# Altium PCB X2023.PcbDoc
Units mil, origin at the board's own origin, x right, y up, seen from the top; angles counter-clockwise.
Board outline 2780.17 x 1390.33 mil, 4 copper layers (Top Layer, GND, PWR, Bottom Layer), stack 22.378 mil thick; 63 components, 41 nets, 239 pads, 151 vias.
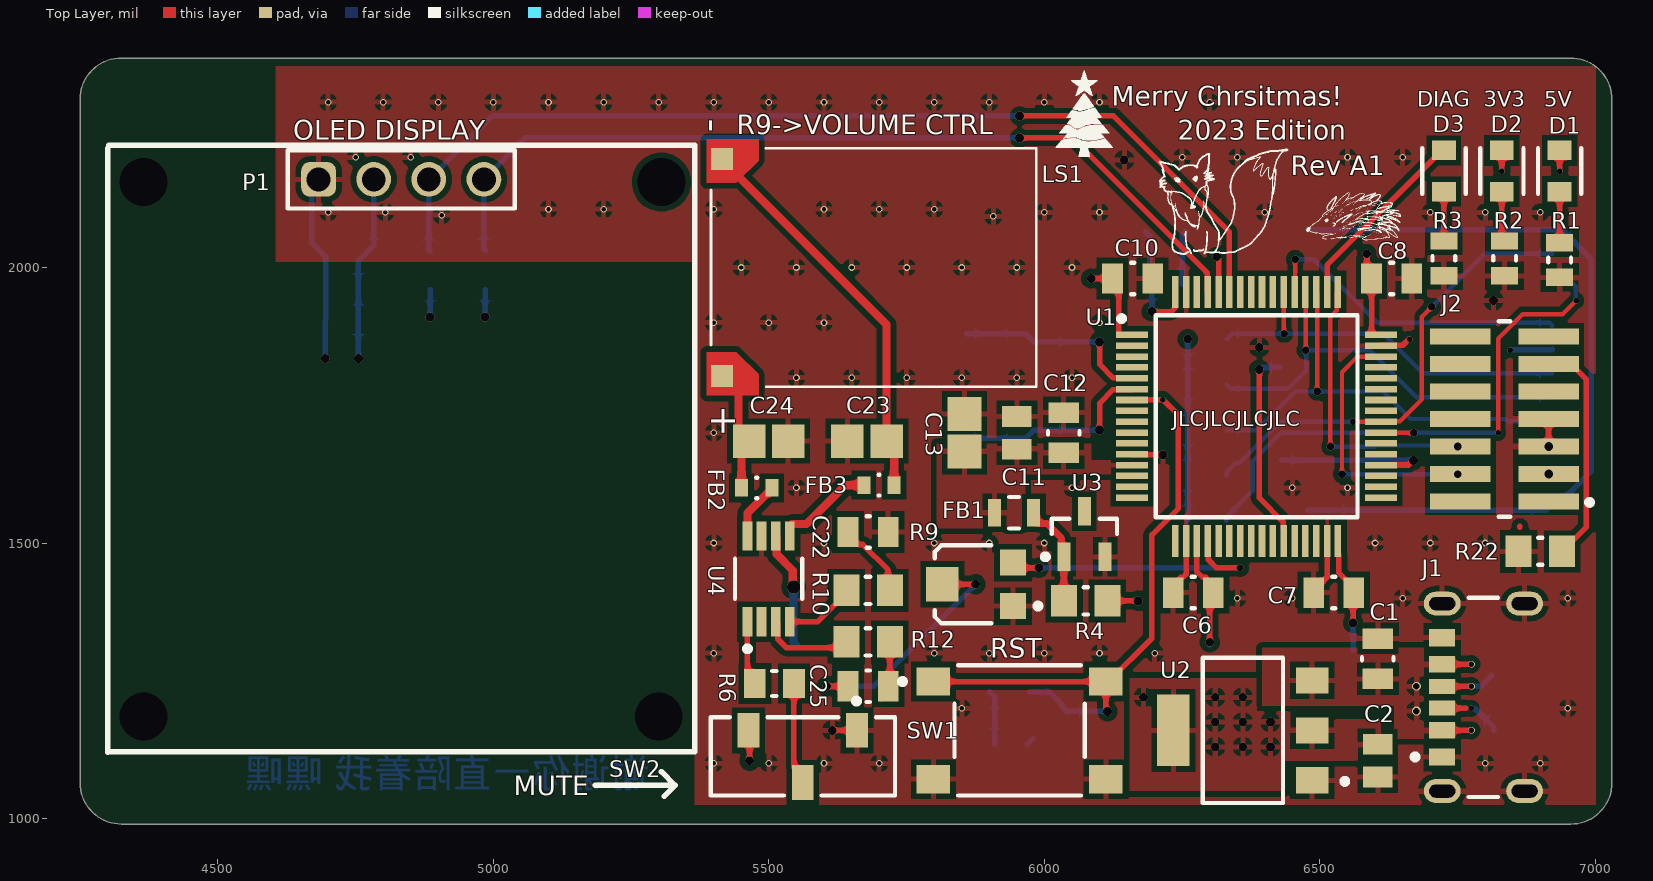
[diagram p0: Top Layer view]
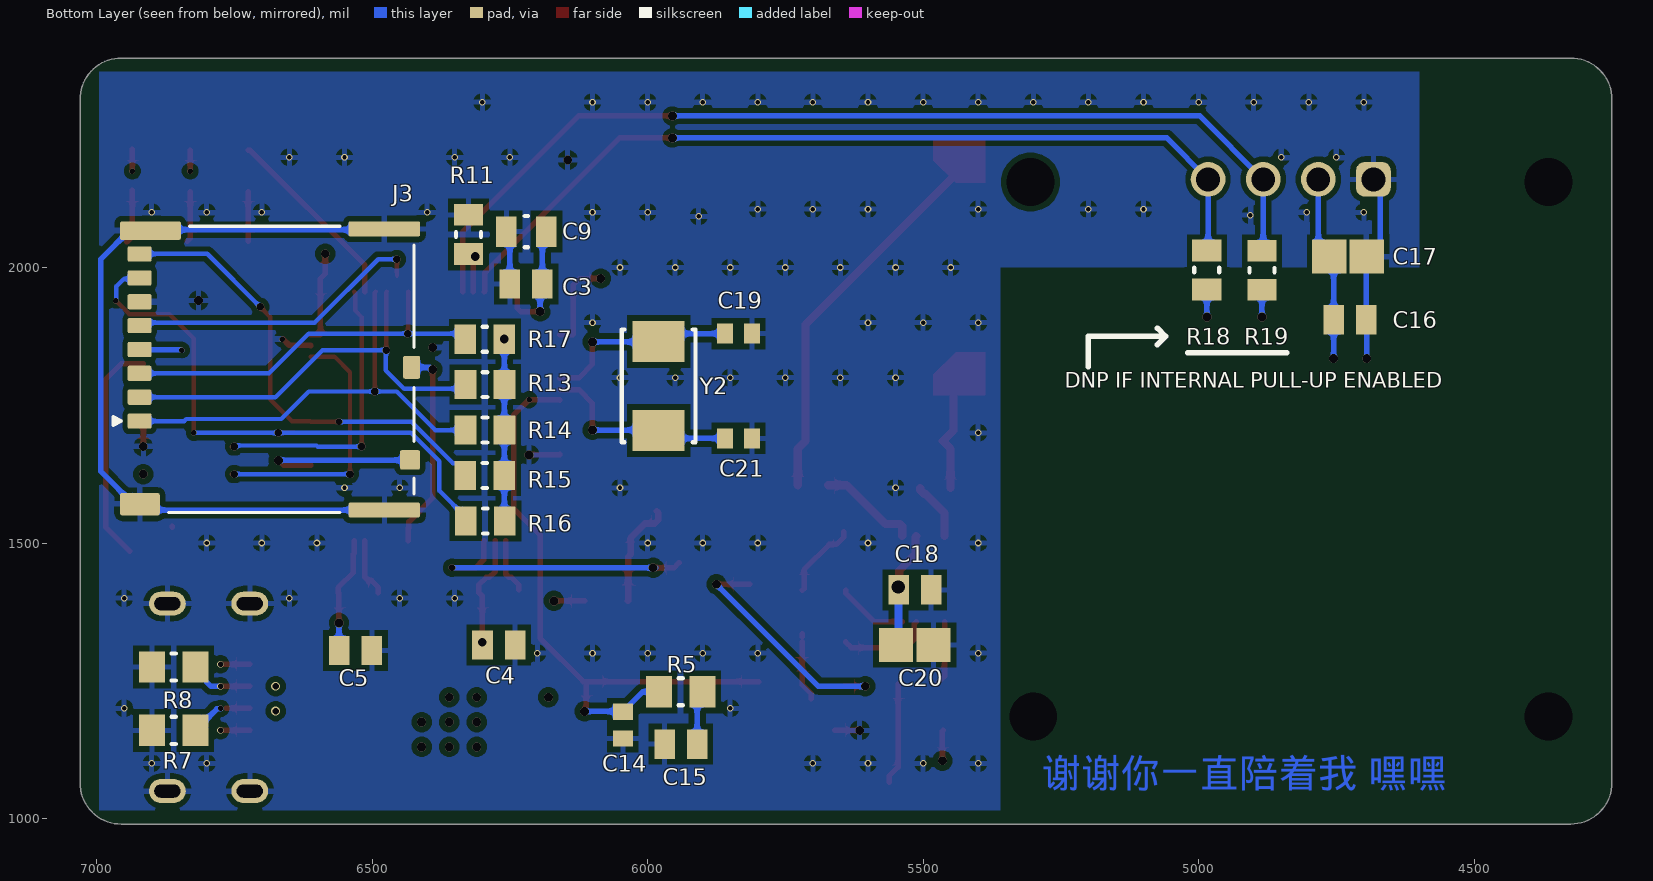
[diagram p1: Bottom Layer view, seen from below]
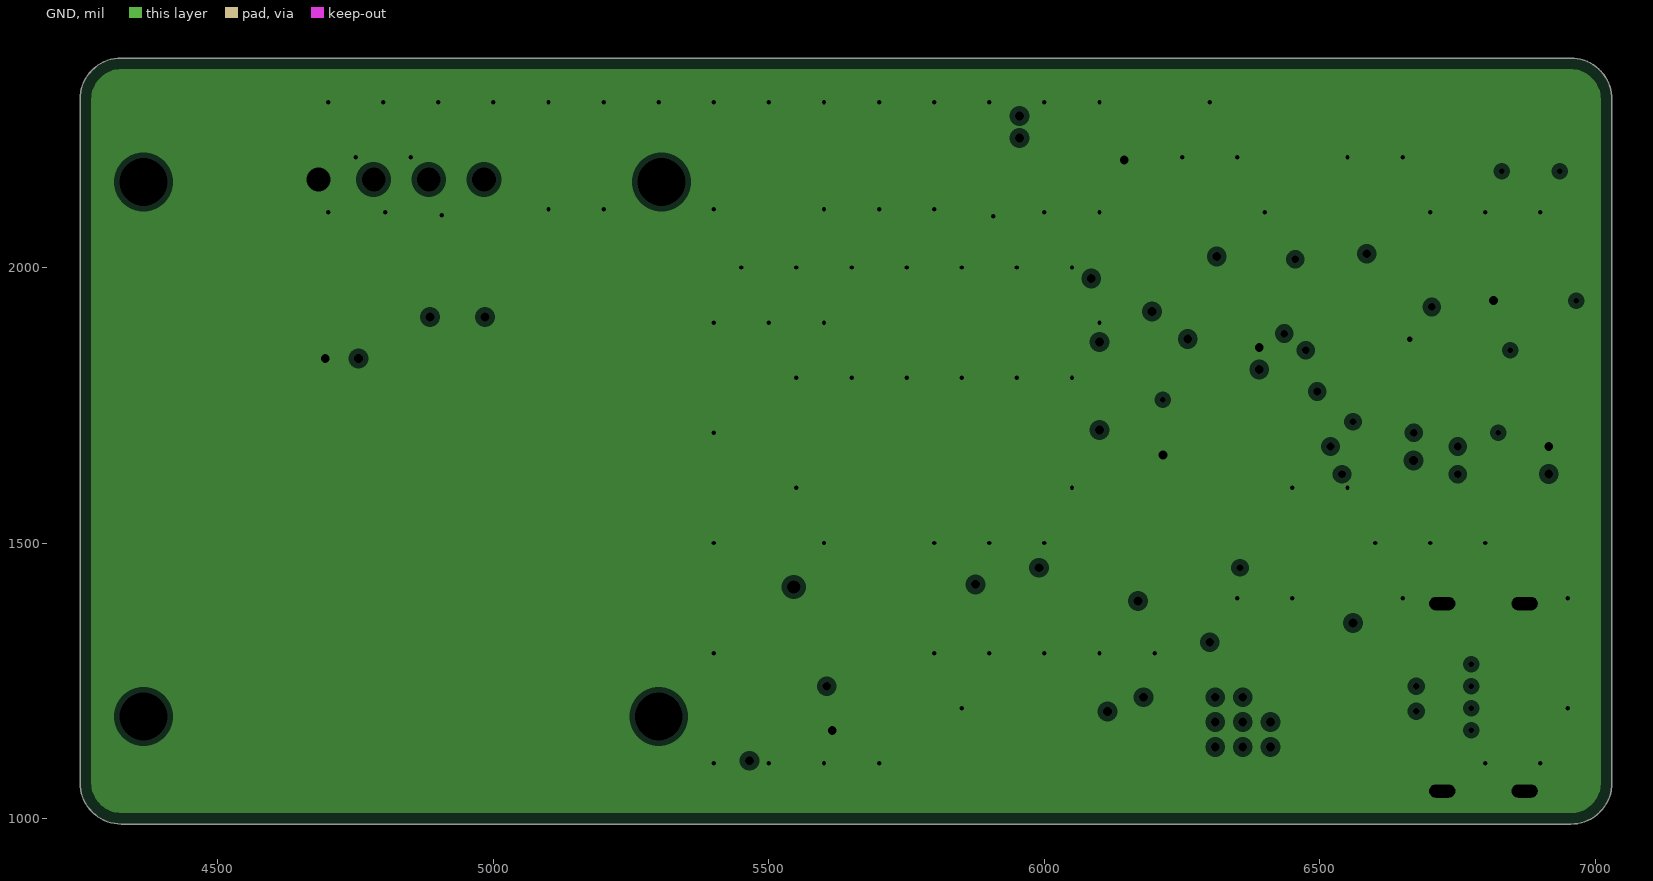
[diagram p2: GND, clearances drawn from the general rule]
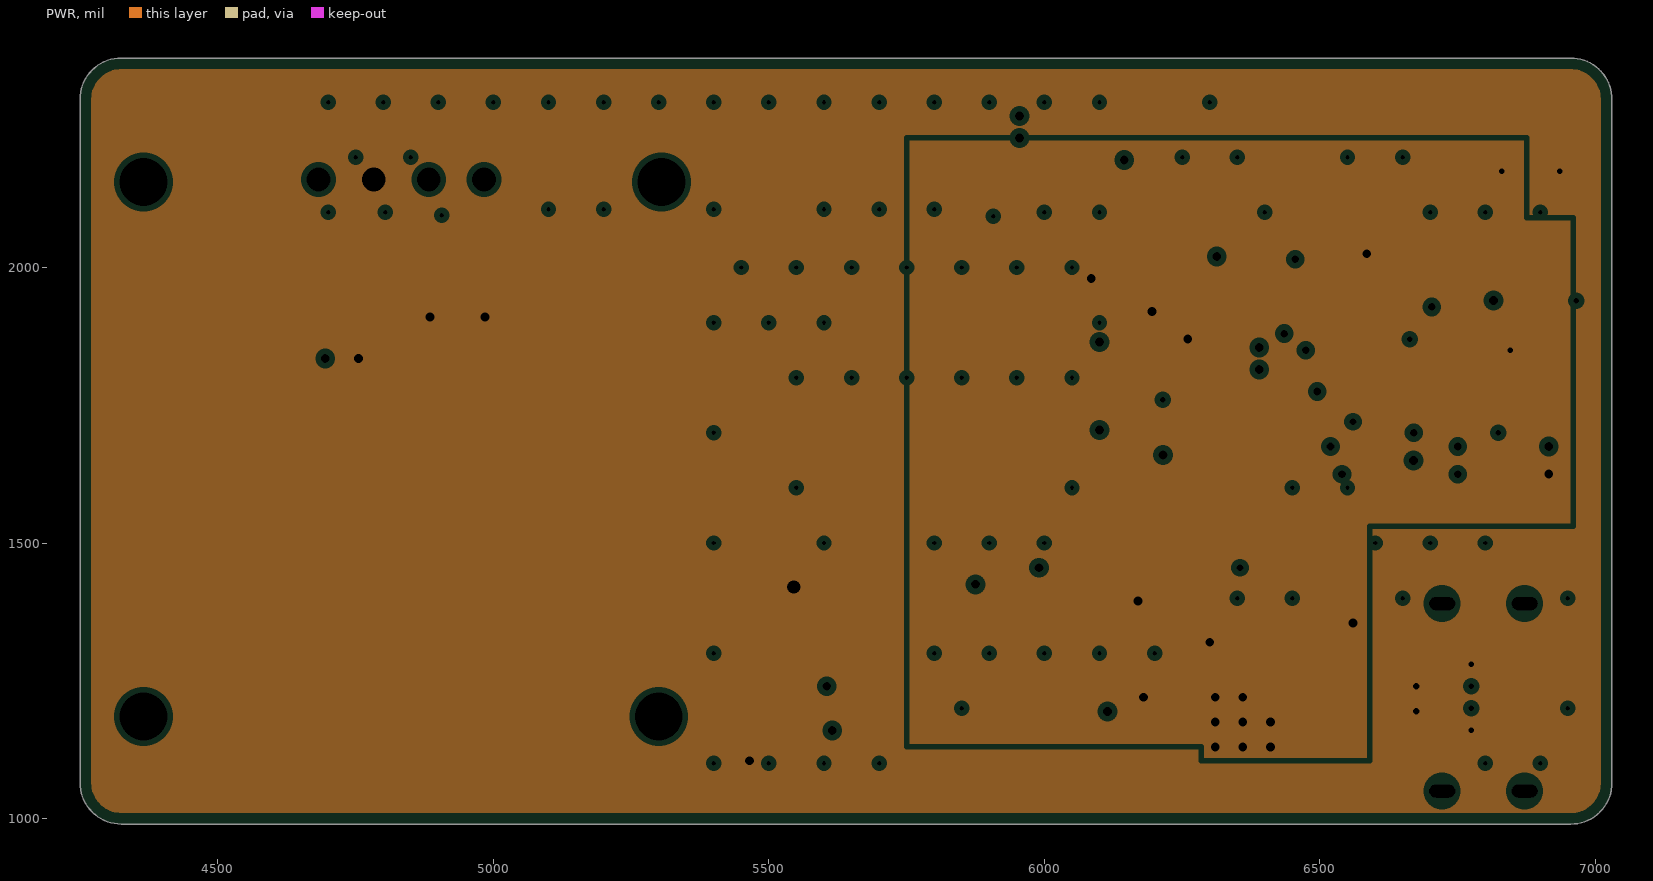
[diagram p3: PWR, clearances drawn from the general rule]
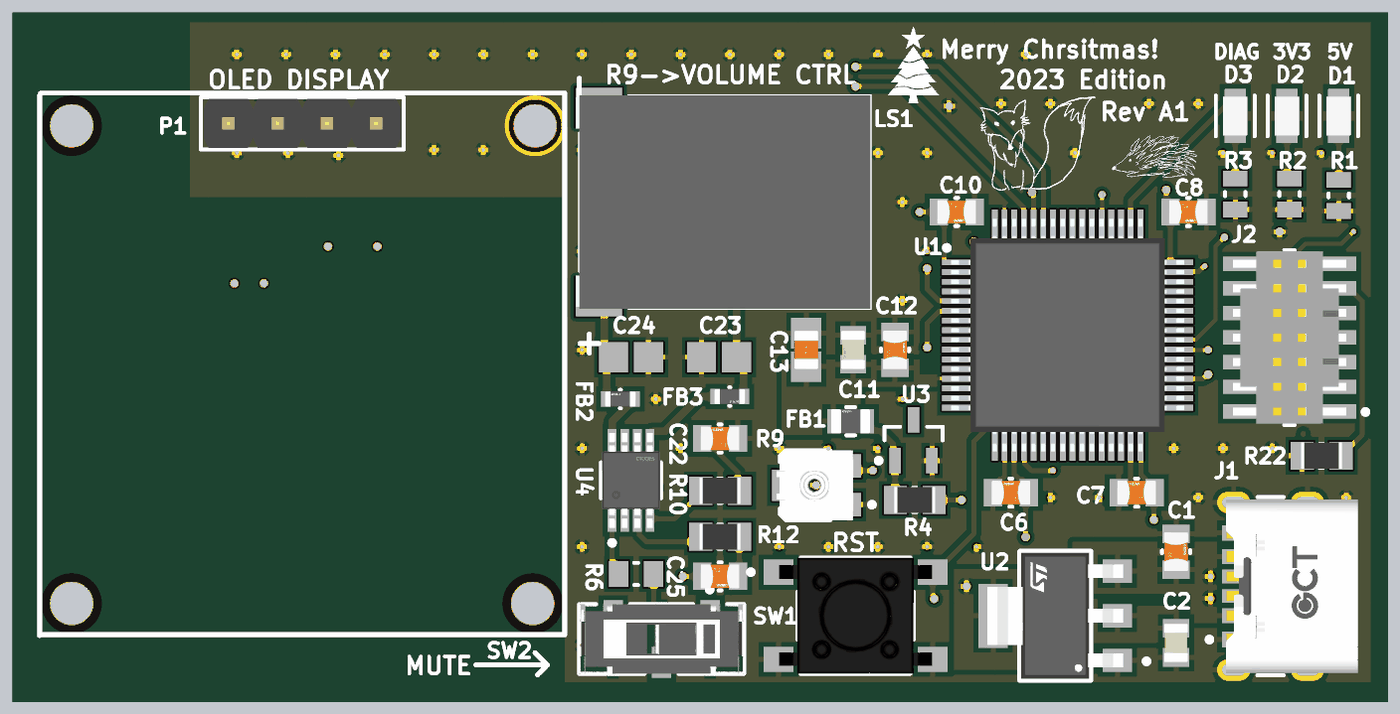
[diagram p4: 3D render of the assembled board from above, using the file's embedded part models]

## Layer stack, top to bottom
Top Solder: solder mask 0.4, Solder Resist, Dk 3.5
Top Layer: signal copper 1.4
Dielectric 2: prepreg 2.8, PP-006, Dk 4.1
GND: plane copper 0.689, net GND
Dielectric 1: dielectric 12.6, FR-4, Dk 4.8
PWR: plane copper 0.689, net (Multiple Nets)
Dielectric 3: prepreg 2.8, PP-006, Dk 4.1
Bottom Layer: signal copper 1.4
Bottom Solder: solder mask 0.4, Solder Resist, Dk 3.5

## Board outline
4249.83,1065.17 ccw(c4325,1065.17) 4325,990 6955,990 6954.83,989.83 ccw(c6954.83,1065) 7030,1065 7030,2305 ccw(c6954.83,2305) 6954.83,2380.17 6955,2380 4325,2380 4325,2380.17 ccw(c4325,2305) 4249.83,2305 4250,2310

## Design rules (kind name [scope] priority, off if disabled: settings)
Clearance [All] p1: gap=10 ignorepadtopadclearanceinfootprint=FALSE except(0: Arc-Hole Track-Hole SMDPad-Hole THPad-Hole Via-Hole Fill-Hole Poly-Hole Region-Hole Text-Hole; 5: Arc-Arc Arc-Track Track-Track SMDPad-SMDPad; 7.88: Arc-SMDPad Track-SMDPad)
MinimumSolderMaskSliver [All] p1: minsoldermaskwidth=5.12
PlaneClearance [All] p1: clearance=10
PlaneConnect [All] p1: pad.planeconnectstyle=Relief pad.reliefexpansion=20 pad.reliefentries=4 pad.reliefconductorwidth=10 pad.reliefairgap=10 via.planeconnectstyle=Direct via.reliefexpansion=20 via.reliefentries=4 via.reliefconductorwidth=10 via.reliefairgap=10
PolygonConnect [All] p1: connectstyle=Relief reliefconductorwidth=10 reliefentries=4 polygonreliefangle="90 Angle" airgapwidth=10
RoutingVias [All] p1: holewidth=10 width=20 viastyle="Through Hole" minholewidth=6 minwidth=10 maxholewidth=20 maxwidth=50
SolderMaskExpansion [All] p1: expansion=4 istentingtop=FALSE
Width [All] p1: maxlimit=20 minlimit=8 preferedwidth=8 minimp=50.000000 maximp=50.000000 favimp=50.000000
27 further rules are at their usual default settings.

## Components (designator, comment, footprint, x,y, rotation, side; value= is the part's Value field where it differs from the comment)
C1 "CC0805KRX7R7BB104" FP-CC0805-0_85-MFG 6605,1290 r90 top value="100 nF"
C2 "C0805C106K8PACTU" FP-C0805C-DG-MFG 6605,1105 r270 top value=10uF
C3 "C0805C106K8PACTU" FP-C0805C-DG-MFG 6220.47,1970 r0 bottom value=10uF
C4 "C0805C106K8PACTU" FP-C0805C-DG-MFG 6270,1315 r180 bottom value=10uF
C5 "C0805C106K8PACTU" FP-C0805C-DG-MFG 6530,1305 r180 bottom value=10uF
C6 "CC0805KRX7R7BB104" FP-CC0805-0_85-MFG 6270,1410 r180 top value="100 nF"
C7 "CC0805KRX7R7BB104" FP-CC0805-0_85-MFG 6525,1410 r180 top value="100 nF"
C8 "CC0805KRX7R7BB104" FP-CC0805-0_85-MFG 6630,1980 r0 top value="100 nF"
C9 "CC0805KRX7R7BB104" FP-CC0805-0_85-MFG 6220,2065 r0 bottom value="100 nF"
C10 "CC0805KRX7R7BB104" FP-CC0805-0_85-MFG 6160,1980 r0 top
C11 "C0805C103K2RACTU" FP-C0805C-DN-MFG 5950,1700 r90 top value="10,000 pF"
C12 "CC0805KRX7R7BB104" FP-CC0805-0_85-MFG 6035,1700 r90 top value="100 nF"
C13 "C2012X5R1E105K125AA" FP-C2012-125-0_2-IPC_A 5855,1700 r90 top
C14 "06032U150GAT2A" CAPC1508X91X25LL25T13 6045,1169.41 r90 bottom value=15pF
C15 "C0805C103K2RACTU" FP-C0805C-DN-MFG 5939.53,1135 r0 bottom value="10,000 pF"
C16 "C0805C106K8PACTU" FP-C0805C-DG-MFG 4725.47,1905 r180 bottom value=10uF
C17 "C2012X5R1E105K125AA" FP-C2012-125-0_2-IPC_A 4729.02,2020 r180 bottom
C18 "C0805C106K8PACTU" FP-C0805C-DG-MFG 5515,1415 r180 bottom value=10uF
C19 "06032U150GAT2A" CAPC1508X91X25LL25T13 5835,1880 r0 bottom value=15pF
C20 "C2012X5R1E105K125AA" FP-C2012-125-0_2-IPC_A 5515,1315 r180 bottom
C21 "06032U150GAT2A" CAPC1508X91X25LL25T13 5835,1690 r0 bottom value=15pF
C22 "CC0805KRX7R7BB104" FP-CC0805-0_85-MFG 5680.06,1520 r180 top value="100 nF"
C23 "C0805C221K5RACTU" CAPC2013X88X50ML20T25 5678.03,1685 r0 top value=220pF
C24 "C0805C221K5RACTU" CAPC2013X88X50ML20T25 5499.57,1685 r180 top value=220pF
C25 "CC0805KRX7R7BB104" FP-CC0805-0_85-MFG 5680.06,1240 r0 top value="100 nF"
D1 "SML-LXT0805IW-TR" FP-SML-LXT0805IW-TR-MFG 6935,2175 r90 top
D2 "SML-LXT0805IW-TR" FP-SML-LXT0805IW-TR-MFG 6830,2175 r90 top
D3 "SML-LXT0805IW-TR" FP-SML-LXT0805IW-TR-MFG 6725,2175 r90 top
FB1 "BLM21AG151SN1D" FP-BLM21-0_2-t0_85-e0_5-MFG 5945,1555 r180 top
FB2 "MMZ1608B121CTAH0" FP-MMZ1608-0_6-MFG 5477.85,1600 r180 top
FB3 "MMZ1608B121CTAH0" FP-MMZ1608-0_6-MFG 5699.75,1605 r0 top
J1 "USB4125-GF-A-0190" FP-USB4125-GF-A-0190-MFG 6840,1220 r90 top
J2 "FTSH-107-01-L-DV-K" FP-FTSH-107-01-L-DV-K-MFG 6835,1725 r90 top
J3 "5033981892" MOLX-5033981892_V 6675,1815 r90 bottom
LS1 "CMS-151135-078S-67" SPKR_CMS-151135-078S-67 5690,2000 r270 top
P1 "61300411121" 61300411121 4832.8,2160 r0 top
R1 "RC0805JR-07510RL" RESC2013X60X35LL10T20 6935,2013.5 r90 top value=510R
R2 "RC0805JR-07300RL" RESC2013X60X35LL10T20 6835,2016.5 r90 top value=300R
R3 "RC0805JR-07300RL" RESC2013X60X35LL10T20 6725,2016.5 r90 top value=300R
R4 "RC0805FR-0710RL" RESC2013X60X35ML10T20 6075,1395 r0 top
R5 "RC0805JR-075K1L" RESC2013X60X35ML10T20 5940,1230 r0 bottom value=5k1R
R6 "RC0805JR-1347KL" RESC2013X60X35NL10T20 5510,1245 r0 top value=47kR
R7 "RC0805JR-075K1L" RESC2013X60X35ML10T20 6860,1160 r180 bottom value=5k1R
R8 "RC0805JR-075K1L" RESC2013X60X35ML10T20 6860,1275 r180 bottom value=5k1R
R9 "TC33X-2-103E" BOUR-TC33X-2_V 5872.09,1425 r180 top
R10 "RC0805FR-07100RL" RESC2013X60X35ML10T20 5680,1413.93 r180 top
R11 "RC0805JR-1347KL" RESC2013X60X35NL10T20 6325,2060 r270 bottom value=47kR
R12 "RC0805FR-07100RL" RESC2013X60X35ML10T20 5680,1320.6 r180 top
R13 "RC0805JR-1347KL" RESC2013X60X35NL10T20 6295,1787.5 r0 bottom value=47kR
R14 "RC0805JR-1347KL" RESC2013X60X35NL10T20 6295,1705 r0 bottom value=47kR
R15 "RC0805JR-1347KL" RESC2013X60X35NL10T20 6295.43,1622.5 r0 bottom value=47kR
R16 "RC0805JR-1347KL" RESC2013X60X35NL10T20 6294.57,1540 r0 bottom value=47kR
R17 "RC0805JR-1347KL" RESC2013X60X35NL10T20 6295.43,1870 r0 bottom value=47kR
R18 "RC0805JR-1347KL" RESC2013X60X35NL10T20 4985,1995.43 r270 bottom value=47kR
R19 "RC0805JR-1347KL" RESC2013X60X35NL10T20 4885,1995 r90 bottom value=47kR
R22 "RC0805FR-07100RL" RESC2013X60X35ML10T20 6900,1485 r180 top
SW1 "PTS645SM43SMTR92LFS" FP-PTS645SM43SMTR92LFS-MFG 5955,1160 r0 top
SW2 "JS102011JCQN" FP-JS102011JCQN-MFG 5561.58,1112.76 r180 top
U1 "STM32L433RCT6" QFP50P1200X1200X160-64N 6385,1730 r0 top
U2 "LD1117S33CTR" FP-SOT-223-0046067_14-MFG 6360,1160 r180 top
U3 "LM4040CIM3-3.0/NOPB" MF03A_N 6072.6,1516.34 r90 top
U4 "PAM8302AASCR" FP-MSOP-8-MFG 5499.5,1435 r90 top
Y2 "ABM3-8.000MHZ-B4Y-T" FP-ABM3-MFG 5980,1785 r90 bottom

## Footprints (in the part's own frame and the unit in brackets; to place one, negate y for a bottom-side part, rotate by r counter-clockwise, add the part's x,y. Pads: shape width x height; smd on the part's side, far side on the other; paste and mask are expansions set on the pad)
61300411121 [mm] "Pin Header, pitch 2.54 mm, THT, Vertical, single row, 4p"
  rrect50% 1.6x1.6 hole 1.1: 1(-3.81,0)
  round 1.6 hole 1.1: 2(-1.27,0) 3(1.27,0) 4(3.81,0)
  silkscreen extent -5.23,-1.34 5.23,1.34, body extent -5.08,-1.27 5.08,1.27, height 8.57
BOUR-TC33X-2_V [mm] "SMD, 3-Leads, Body 3.8x3.6mm"
  rect 1.2x1.2 smd: 1(-1.8,1) 3(-1.8,-1)
  rect 1.5x1.6 smd: 2(1.45,0)
  silkscreen extent -3.08,-1.8 1.8,1.8, body extent -2,-1.8 1.96,1.8, height 1.15
CAPC1508X91X25LL25T13 [mm] "Chip Capacitor, 2-Leads, Body 1.52x0.76mm, IPC High Density"
  rect 0.74x0.92 smd: 1(-0.62,0) 2(0.62,0)
  body extent -0.88,-0.51 0.89,0.51, height 0.91
CAPC2013X88X50ML20T25 [mm] "Chip Capacitor, 2-Leads, Body 2.00x1.25mm, IPC Low Density"
  rect 1.5x1.55 smd: 1(-0.9,0) 2(0.9,0)
  body extent -1.1,-0.72 1.1,0.72, height 0.88
FP-ABM3-MFG [mm]
  rect 1.9x2.4 smd paste+0 mask+0: 1(-2.05,0) 2(2.05,0)
  silkscreen extent -2.6,-1.7 2.6,1.7, body extent -2.5,-1.6 2.5,1.6, height 1.3
FP-BLM21-0_2-t0_85-e0_5-MFG [mm]
  rect 0.6x1.25 smd paste+0 mask+0: 1(-0.9,0) 2(0.9,0)
  silkscreen extent -0.23,-0.73 0.23,0.73, body extent -1.3,-0.82 1.3,0.82, height 0.25
FP-C0805C-DG-MFG [mm]
  rect 0.95x1.35 smd paste+0 mask+0: 1(-0.75,0) 2(0.75,0)
  body extent -1.4,-0.85 1.4,0.85, height 0.25
FP-C0805C-DN-MFG [mm]
  rect 0.95x1.35 smd paste+0 mask+0: 1(-0.75,0) 2(0.75,0)
  body extent -1.4,-0.85 1.4,0.85, height 0.25
FP-C2012-125-0_2-IPC_A [mil]
  rect 62.13x61.27 smd paste+0 mask+0: 1(-34.02,0) 2(34.02,0)
  body extent -39,-25 39,25, height 57
FP-CC0805-0_85-MFG [mm]
  rect 0.95x1.4 smd paste+0 mask+0: 1(-0.925,0) 2(0.925,0)
  silkscreen extent -0.07,-0.73 0.07,0.73, body extent -1.6,-1.05 1.6,1.05, height 0.25
FP-FTSH-107-01-L-DV-K-MFG [mm]
  rect 0.74x2.79 smd paste+0 mask+0: 1(-3.81,-2.035) 2(-3.81,2.035) 3(-2.54,-2.035) 4(-2.54,2.035) 5(-1.27,-2.035) 6(-1.27,2.035) 7(0,-2.035) 8(0,2.035) 9(1.27,-2.035) 10(1.27,2.035) 11(2.54,-2.035) 12(2.54,2.035) 13(3.81,-2.035) 14(3.81,2.035)
  silkscreen extent -4.51,-4.04 4.51,0.27, body extent -4.61,-3.53 4.61,3.53, height 0.25
FP-JS102011JCQN-MFG [mm]
  rect 1x1.6 smd paste+0 mask+0: 1(-2.5,-1.2) 2(0,1.2) 3(2.5,-1.2)
  silkscreen extent -4.25,-2.67 4.25,1.8, body extent -4.35,-2.1 4.35,2.1, height 0.25
FP-MMZ1608-0_6-MFG [mm]
  rect 0.6x0.8 smd paste+0 mask+0: 1(-0.7,0) 2(0.7,0)
  silkscreen extent -0.02,-0.47 0.02,0.47, body extent -1.1,-0.58 1.1,0.58, height 0.25
FP-MSOP-8-MFG [mm]
  rect 1.35x0.45 smd paste+0 mask+0: 1(-1.975,0.975) 2(-1.975,0.325) 3(-1.975,-0.325) 4(-1.975,-0.975) 5(1.975,-0.975) 6(1.975,-0.325) 7(1.975,0.325) 8(1.975,0.975)
  silkscreen extent -3.35,-1.55 0.93,1.55, body extent -2.75,-1.65 2.75,1.65, height 0.25
FP-PTS645SM43SMTR92LFS-MFG [mm]
  rect 1.55x1.3 smd paste+0 mask+0: 1(-3.975,2.25) 2(3.975,2.25) 3(-3.975,-2.25) 4(3.975,-2.25)
  silkscreen extent -5.52,-3 3,3, body extent -4.85,-3.1 4.85,3.1, height 0.25
FP-SML-LXT0805IW-TR-MFG [mm]
  rect 0.9x1.1 smd paste+0 mask+0: 1(-0.95,0) 2(0.95,0)
  silkscreen extent -1.05,-1 1.05,1, body extent -1.5,-0.8 1.5,0.8, height 0.25
FP-SOT-223-0046067_14-MFG [mm]
  rect 1.5x1.2 smd paste+0 mask+0: 1(-3.2,2.3) 2(-3.2,0) 3(-3.2,-2.3)
  rect 1.5x3.3 smd paste+0 mask+0: 4(3.2,0)
  silkscreen extent -4.83,-3.35 1.85,3.35, body extent -4.05,-3.45 4.05,3.45, height 0.25
FP-USB4125-GF-A-0190-MFG [mm]
  rrect100% 1.1x1.7 hole 1.2 slot 0.6 at 0 deg paste-1000 mask+0: 1(-4.32,3) 2(4.32,3) 3(-4.32,-0.8) 4(4.32,-0.8)
  rect 0.7x1.2 smd paste+0 mask+0: A5(-0.5,3) B5(0.5,3)
  rect 0.76x1.2 smd paste+0 mask+0: A9(1.52,3) B9(-1.52,3)
  rect 0.8x1.2 smd paste+0 mask+0: A12(2.75,3) B12(-2.75,3)
  silkscreen extent -4.6,0.42 4.6,4.37, body extent -4.97,-3.57 4.97,3.95, height 0.25